# Altium PCB PCB1_4.PcbDoc (part 1 of 2)
Units mil, origin at the board's own origin, x right, y up, seen from the top; angles counter-clockwise.
Board outline 2860 x 3413.11 mil, 4 copper layers (Top Layer, POWER_VCC, POWER_GND, Bottom Layer), stack 30.634 mil thick; 135 components, 182 nets, 698 pads, 287 vias.
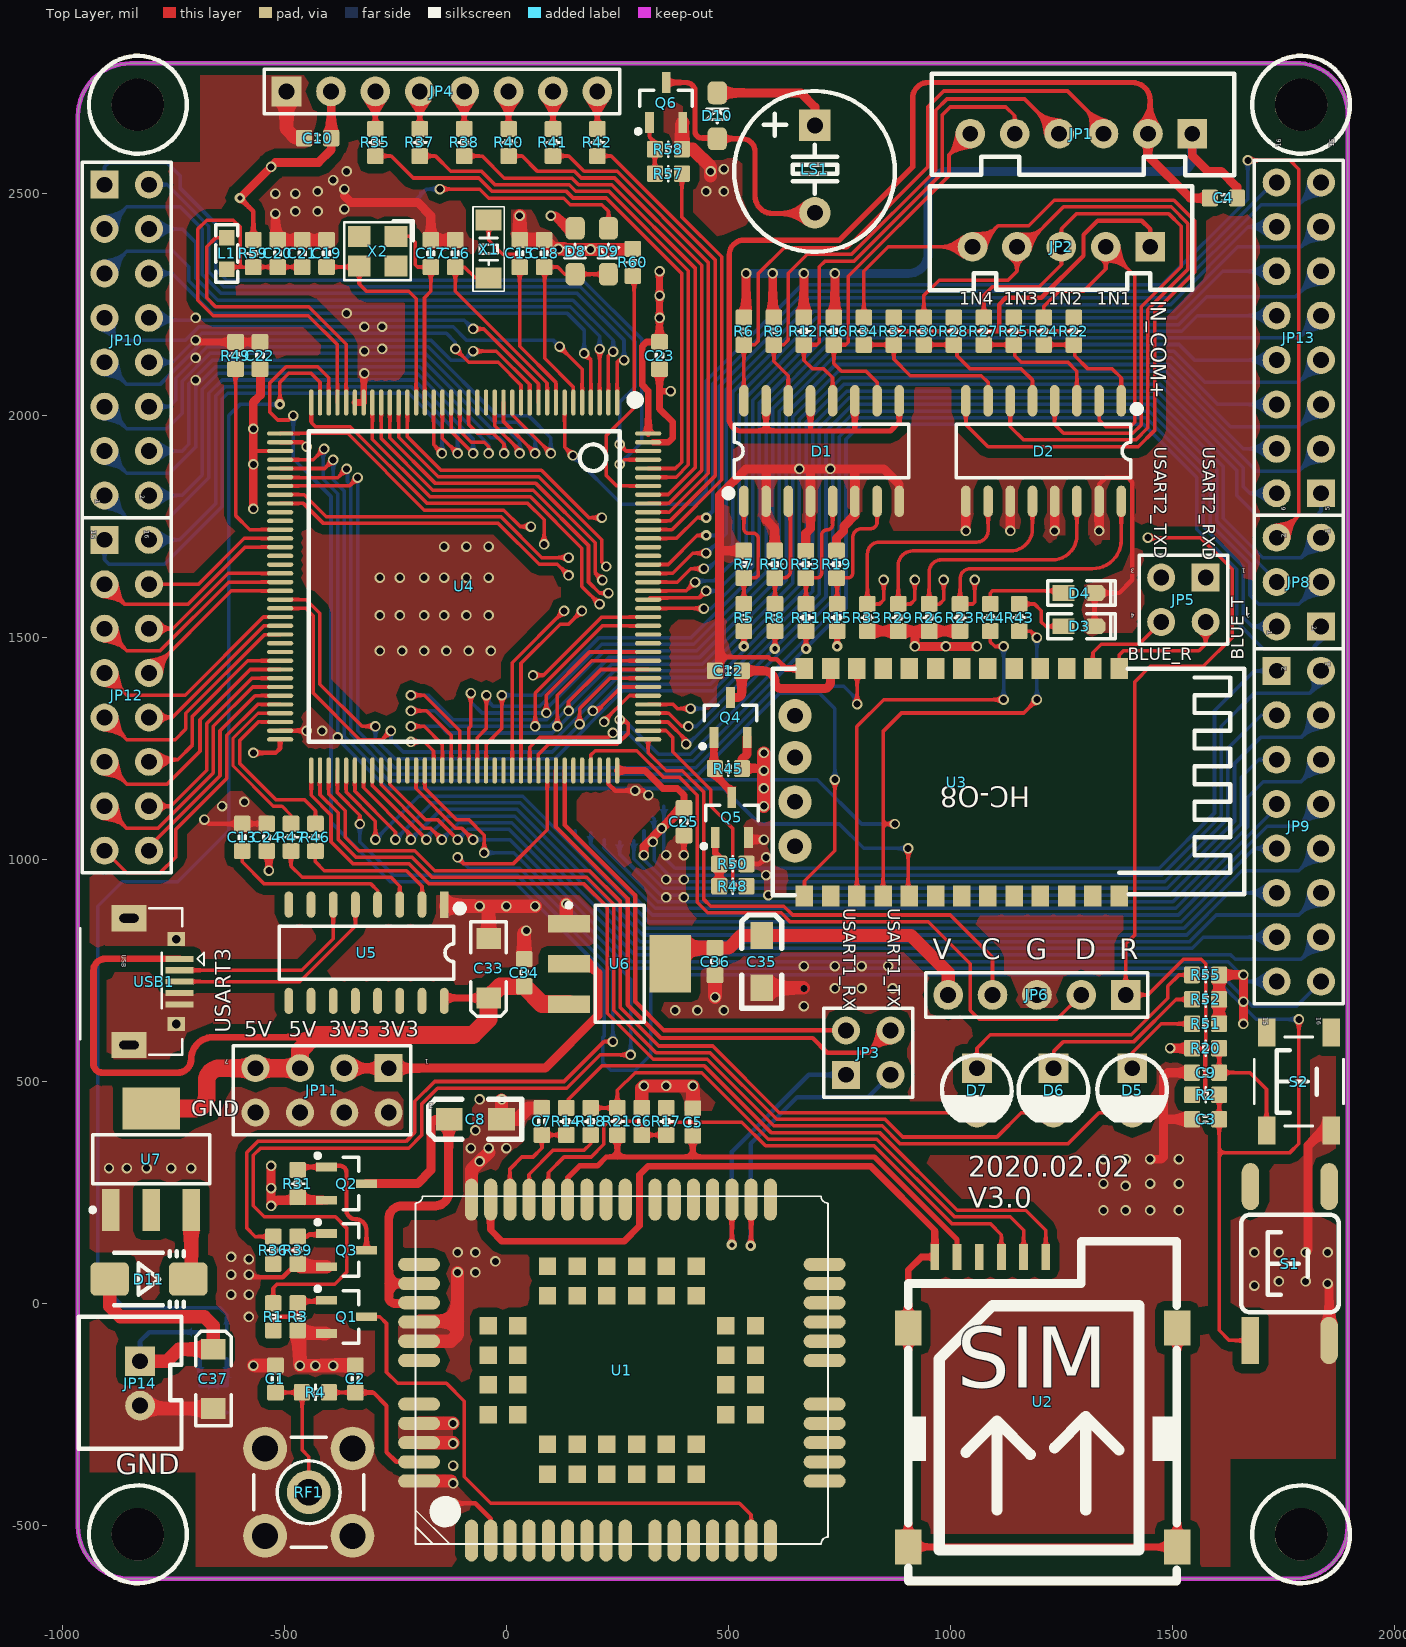
[diagram p0: Top Layer view]
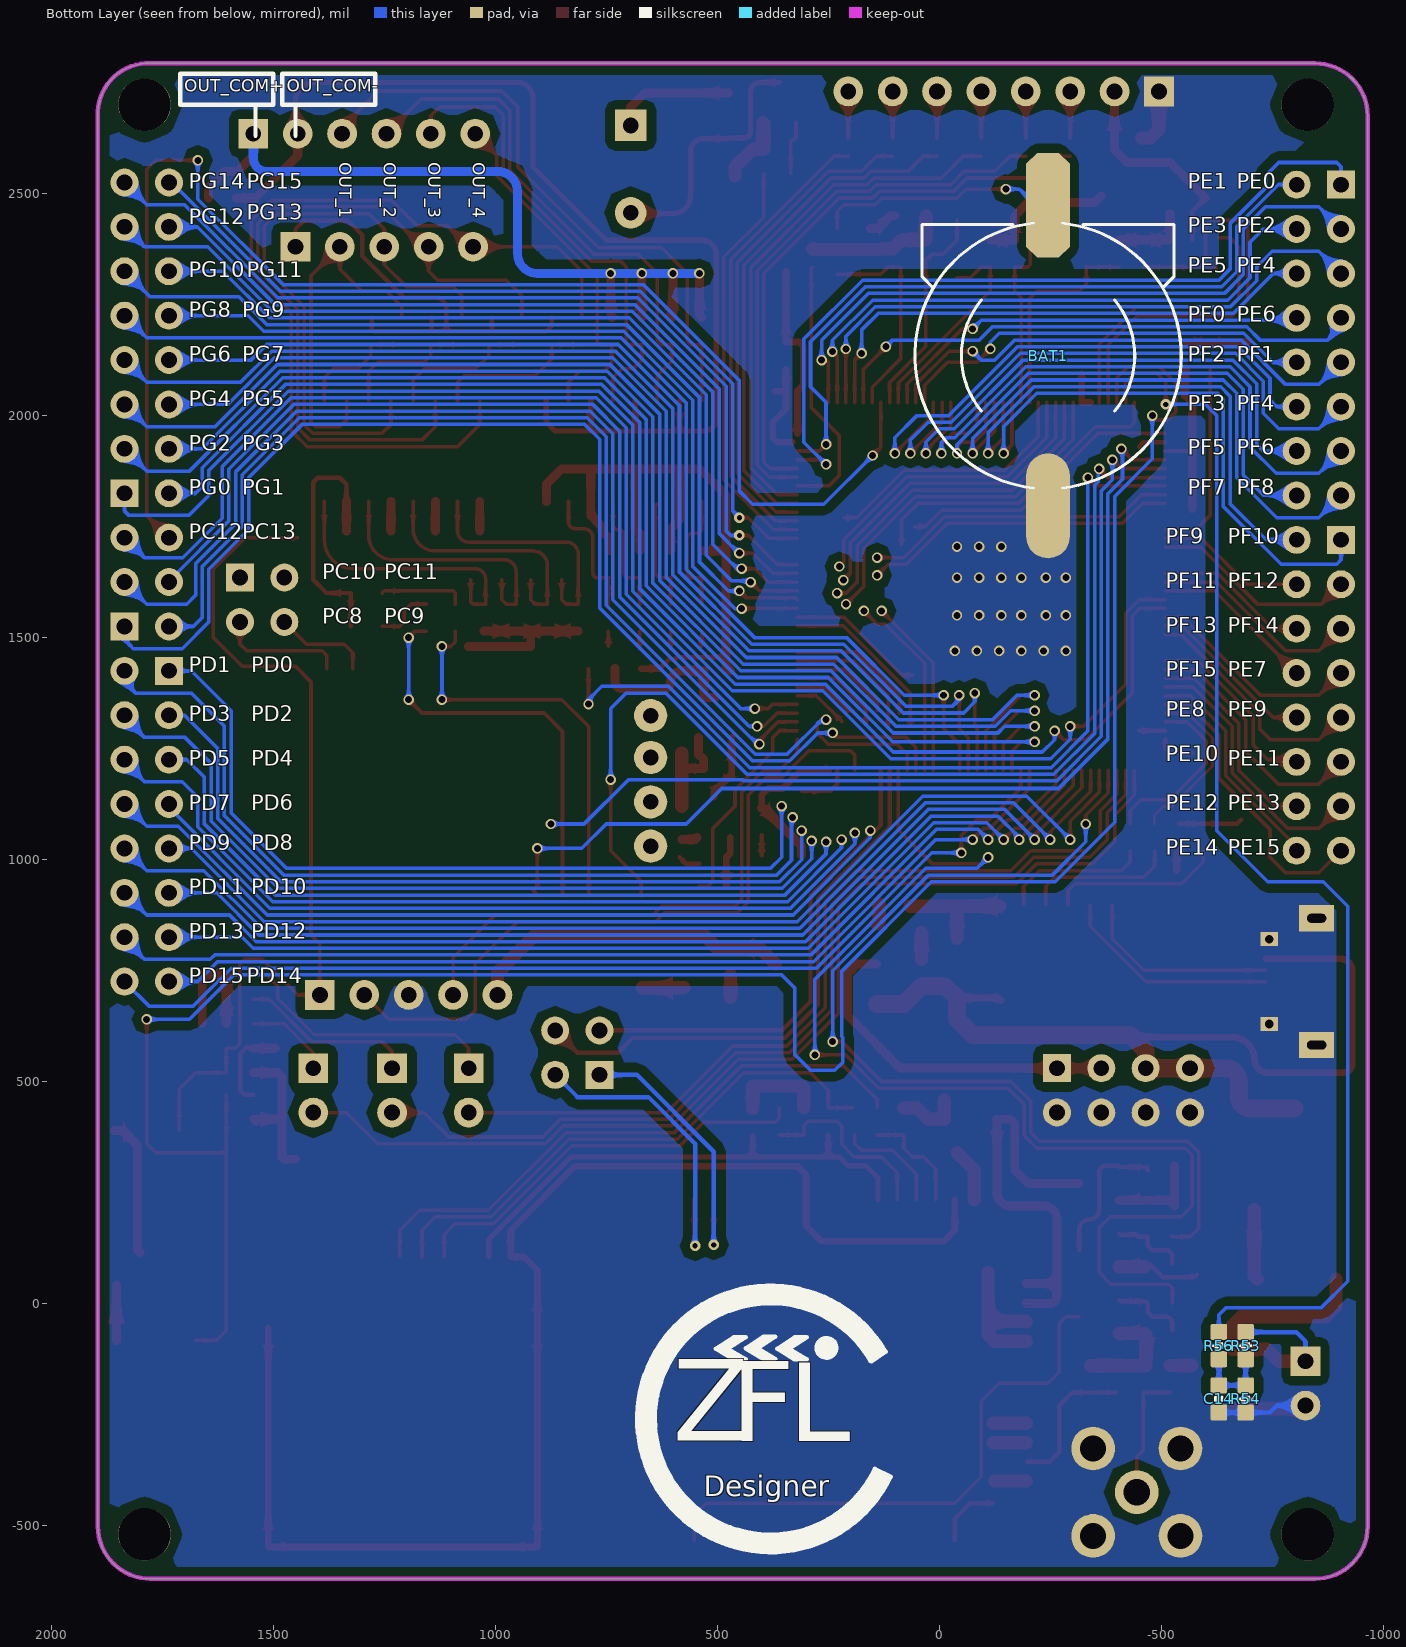
[diagram p1: Bottom Layer view, seen from below]
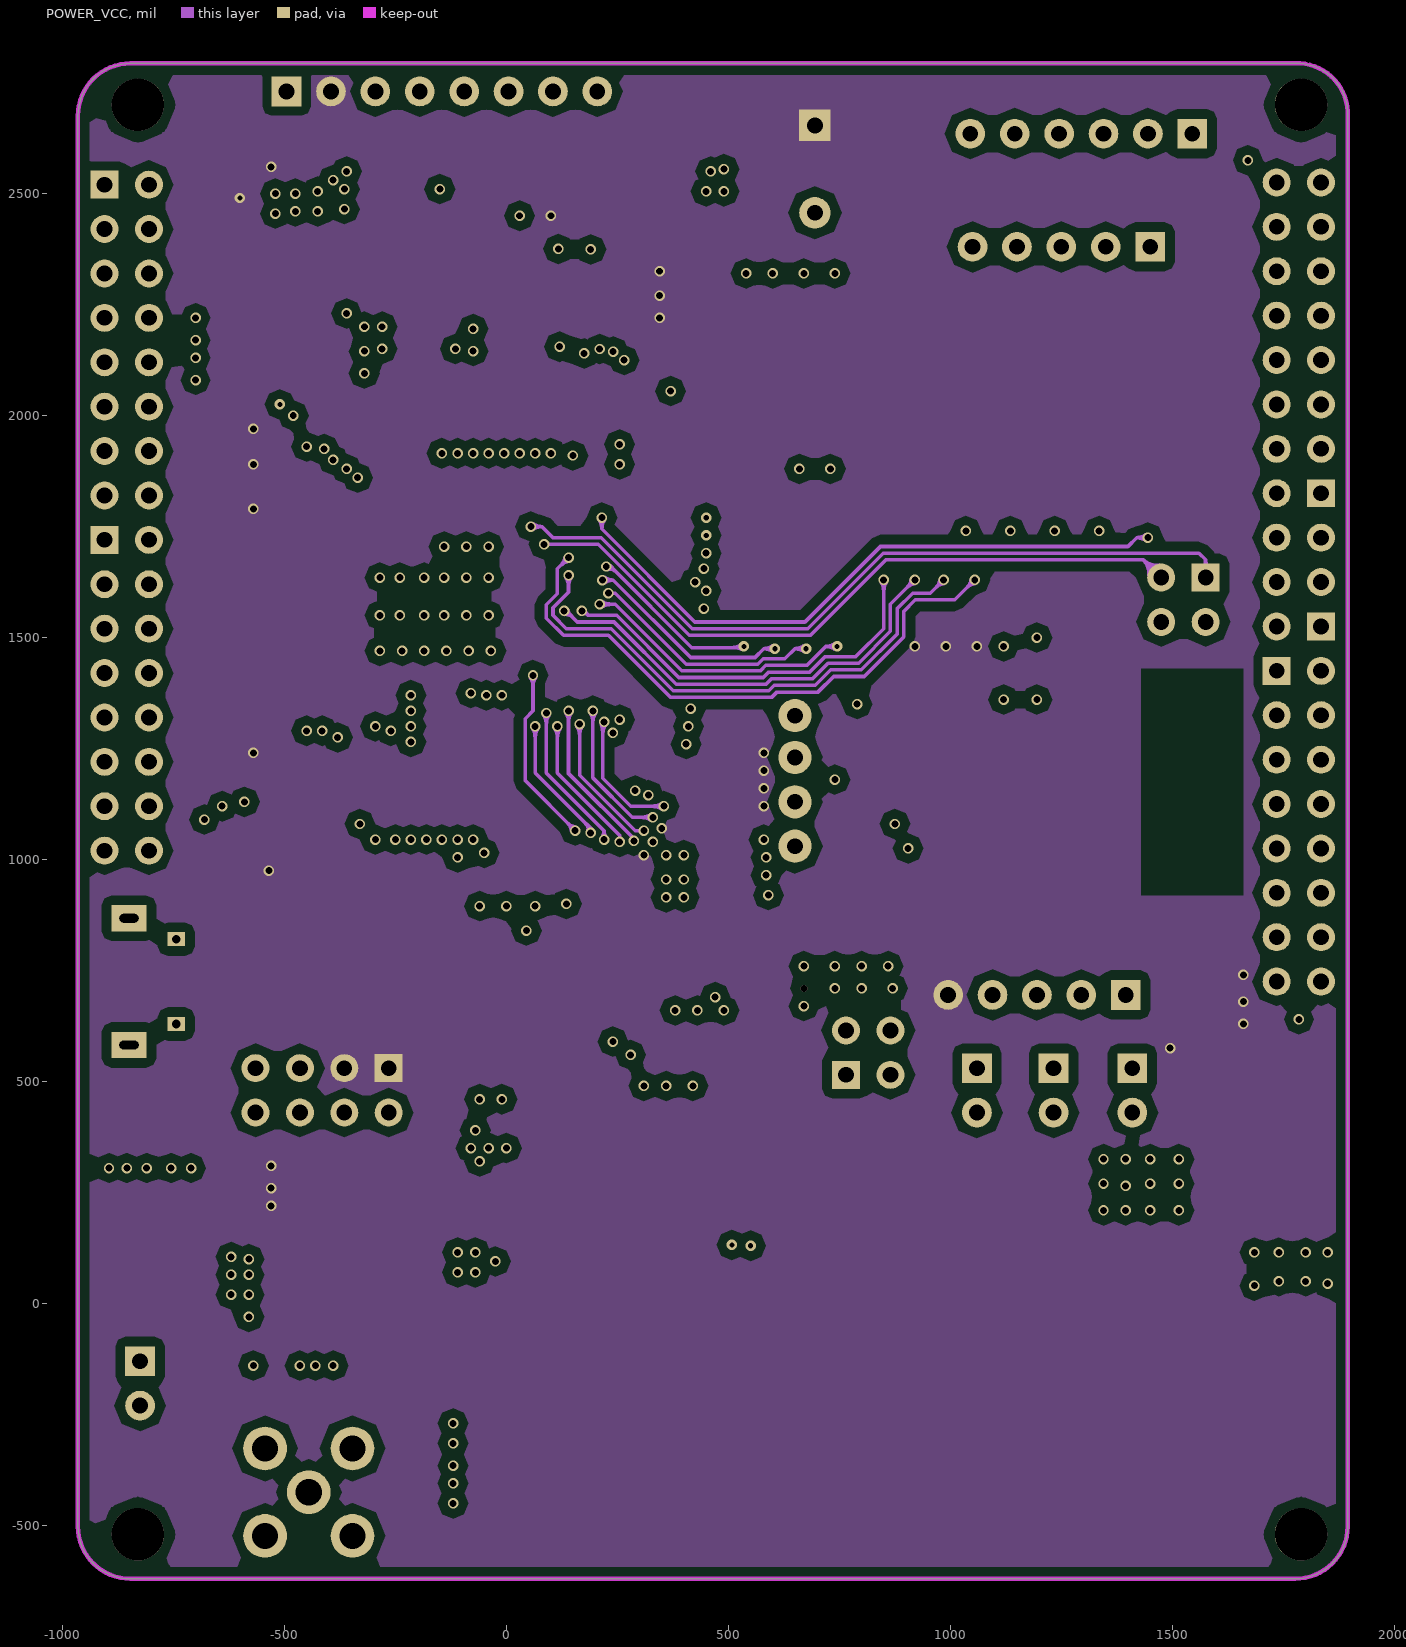
[diagram p2: POWER_VCC]
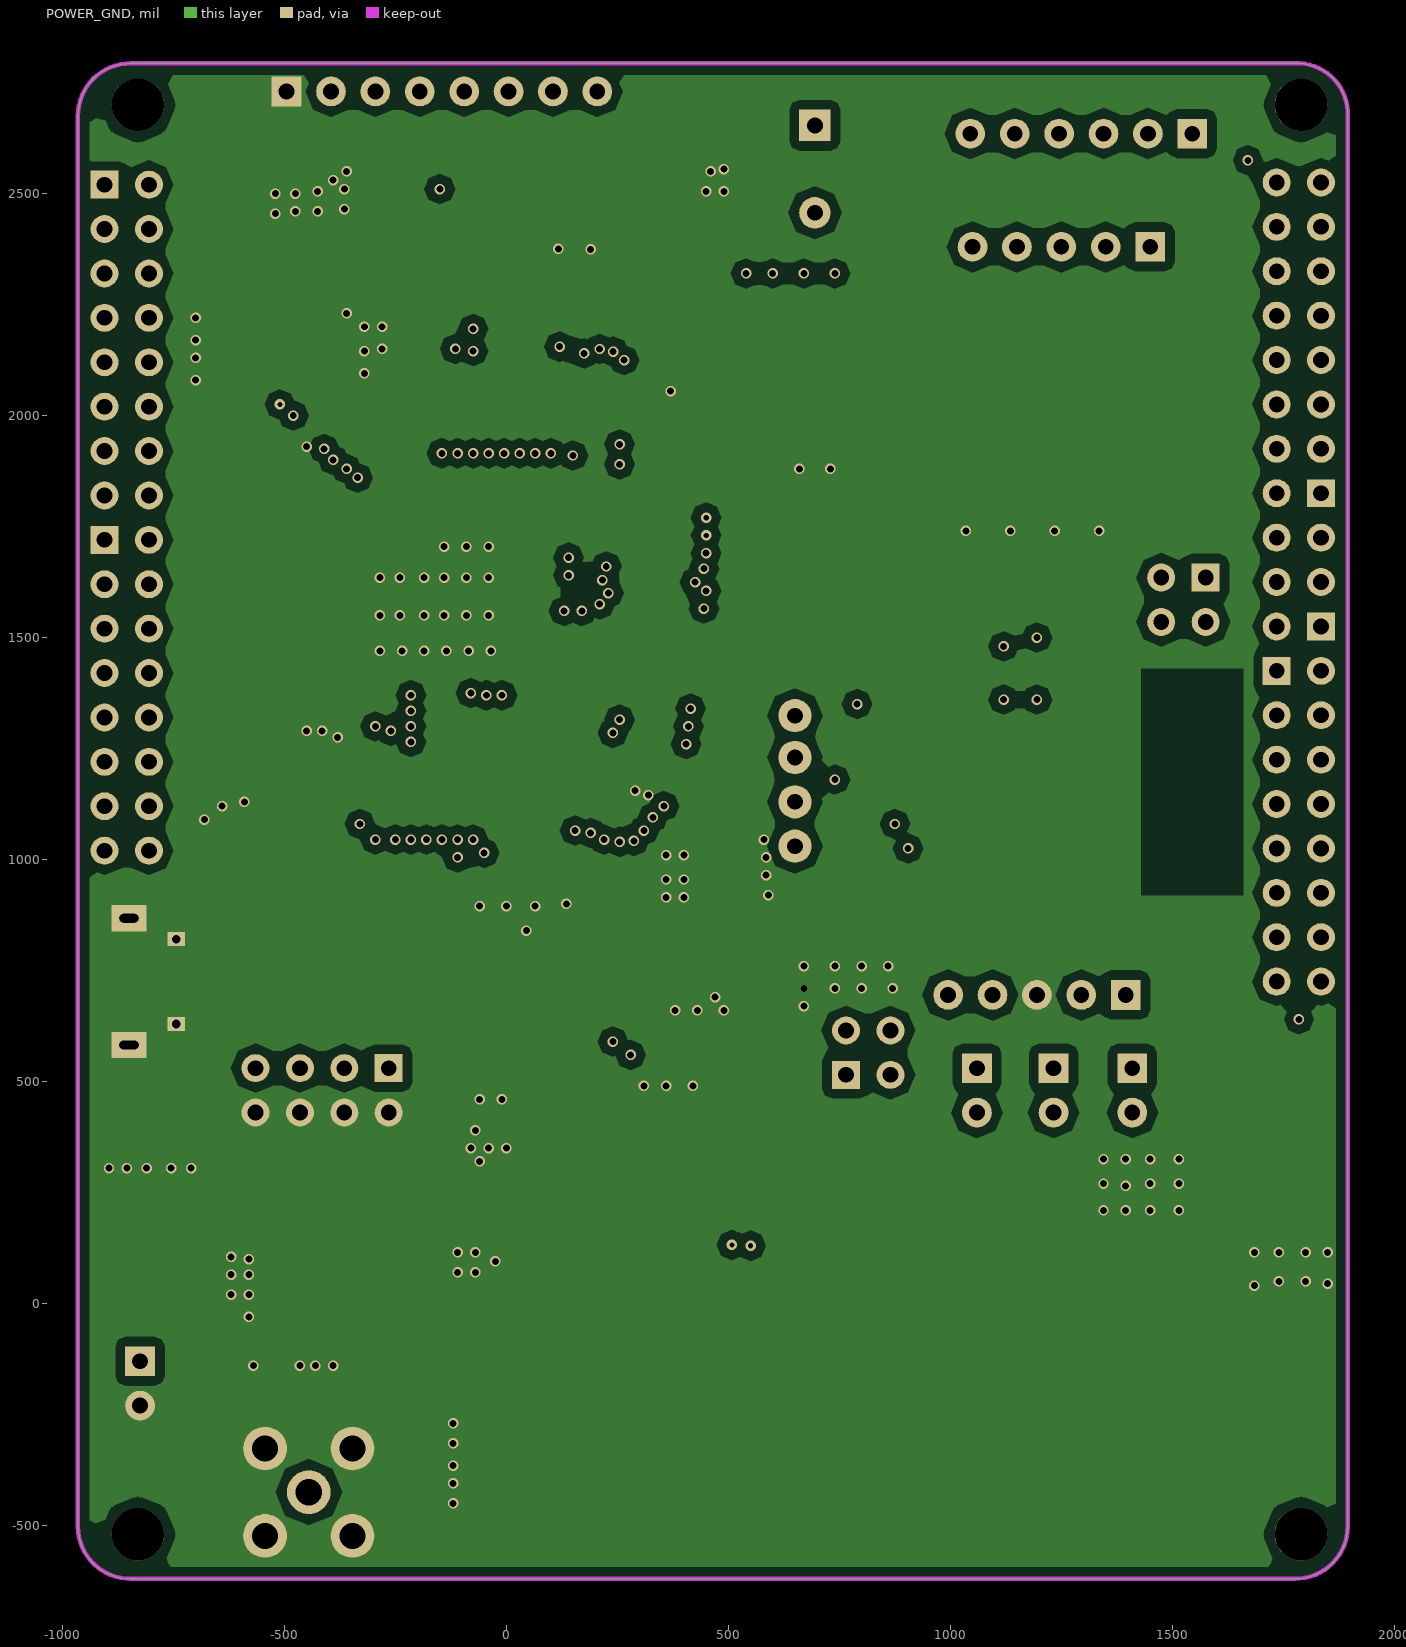
[diagram p3: POWER_GND]

## Layer stack, top to bottom
Top Solder: solder mask 0.4, Solder Resist, Dk 3.5
Top Layer: signal copper 1.4
Dielectric 1: core 10, FR-4, Dk 4.2
POWER_VCC: signal copper 1.417
Dielectric 3: prepreg 5, Dk 4.2
POWER_GND: signal copper 1.417
Dielectric 2: core 10, Dk 4.2
Bottom Layer: signal copper 1.4
Bottom Solder: solder mask 0.4, Solder Resist, Dk 3.5

## Board outline
-965,-501.89 -965,2675 cw(c-846.89,2675) -846.89,2793.11 1776.89,2793.11 cw(c1781.89,2680) 1895,2685 1895,-501.89 cw(c1776.89,-501.89) 1776.89,-620 -846.89,-620 cw(c-846.89,-501.89)

## Design rules (kind name [scope] priority, off if disabled: settings)
Clearance Clearance_5 [InNamedPolygon('GND_L01_P008')] p1: gap=20 ignorepadtopadclearanceinfootprint=FALSE except(0: Arc-Hole Track-Hole SMDPad-Hole THPad-Hole Via-Hole Fill-Hole Poly-Hole Region-Hole Text-Hole)
Clearance Clearance_4 [InNamedPolygon('GND_L01_P006')] p2: gap=20 ignorepadtopadclearanceinfootprint=FALSE except(0: Arc-Hole Track-Hole SMDPad-Hole THPad-Hole Via-Hole Fill-Hole Poly-Hole Region-Hole Text-Hole)
Clearance Clearance_3 [InNamedPolygon('GND_L04_P004')] p3: gap=20 ignorepadtopadclearanceinfootprint=FALSE except(0: Arc-Hole Track-Hole SMDPad-Hole THPad-Hole Via-Hole Fill-Hole Poly-Hole Region-Hole Text-Hole)
Clearance Clearance_2 [InNamedPolygon('GND_L03_P002')] p4: gap=20 ignorepadtopadclearanceinfootprint=FALSE except(0: Arc-Hole Track-Hole SMDPad-Hole THPad-Hole Via-Hole Fill-Hole Poly-Hole Region-Hole Text-Hole)
Clearance Clearance_1 [InNamedPolygon('MCU_3.3V_L02_P000')] p5: gap=20 ignorepadtopadclearanceinfootprint=FALSE except(0: Arc-Hole Track-Hole SMDPad-Hole THPad-Hole Via-Hole Fill-Hole Poly-Hole Region-Hole Text-Hole)
Clearance [All] p6: gap=7 ignorepadtopadclearanceinfootprint=FALSE except(0: Arc-Hole Track-Hole SMDPad-Hole THPad-Hole Via-Hole Fill-Hole Poly-Hole Region-Hole Text-Hole)
ComponentClearance [All] p1 off: gap=10 collisioncheckmode=3 verticalgap=10 showdistances=FALSE
PolygonConnect PolygonConnect_8 [All vs IsNamedPolygon('GND_L01_P008')] p1: connectstyle=Direct reliefconductorwidth=10 reliefentries=4 polygonreliefangle="90 Angle" airgapwidth=10
PolygonConnect PolygonConnect_7 [All vs IsNamedPolygon('GND_L04_P004')] p2: connectstyle=Direct reliefconductorwidth=10 reliefentries=4 polygonreliefangle="90 Angle" airgapwidth=10
PolygonConnect PolygonConnect_6 [All vs IsNamedPolygon('GND_L03_P002')] p3: connectstyle=Direct reliefconductorwidth=10 reliefentries=4 polygonreliefangle="90 Angle" airgapwidth=10
PolygonConnect PolygonConnect_5 [All vs IsNamedPolygon('MCU_3.3V_L02_P000')] p4: connectstyle=Direct reliefconductorwidth=10 reliefentries=4 polygonreliefangle="90 Angle" airgapwidth=10
PolygonConnect PolygonConnect_4 [All vs IsNamedPolygon('GND_L01_P006')] p5: connectstyle=Direct reliefconductorwidth=10 reliefentries=4 polygonreliefangle="90 Angle" airgapwidth=10
PolygonConnect PolygonConnect_3 [All vs IsNamedPolygon('GND_L04_P004')] p6: connectstyle=Direct reliefconductorwidth=10 reliefentries=4 polygonreliefangle="90 Angle" airgapwidth=10
PolygonConnect PolygonConnect_2 [All vs IsNamedPolygon('GND_L03_P002')] p7: connectstyle=Direct reliefconductorwidth=10 reliefentries=4 polygonreliefangle="90 Angle" airgapwidth=10
PolygonConnect PolygonConnect_1 [All vs IsNamedPolygon('MCU_3.3V_L02_P000')] p8: connectstyle=Direct reliefconductorwidth=10 reliefentries=4 polygonreliefangle="90 Angle" airgapwidth=10
PolygonConnect [All] p9: connectstyle=Relief reliefconductorwidth=10 reliefentries=4 polygonreliefangle="90 Angle" airgapwidth=10
RoomDefinition MCU [InComponentClass('MCU')] p1: confinementstyle=ConfineIn formatcopy=TRUE lockcomponents=FALSE outline -2155,-1745 24945,-1745 24945,8815 -2155,8815
RoutingVias [All] p1: holewidth=11.81 width=23.62 viastyle="Through Hole" minholewidth=11.81 minwidth=23.62 maxholewidth=11.81 maxwidth=23.62 useviatemplates=TRUE viatemplateguid#1={C516CC9F-4C20-402A-91DC-BE53C91D200D} viatemplatename#1=v60h30m0
SolderMaskExpansion [All] p1: expansion=4
Width [All] p1: maxlimit=100 minlimit=7 preferedwidth=7
29 further rules are at their usual default settings.

## Components (designator, comment, footprint, x,y, rotation, side; value= is the part's Value field where it differs from the comment)
BAT1 "BATT" VBAT -250,2130 r0 bottom
C1 "100nF" 0603CC -520,-170 r180 top
C2 "100nF" 0603CC -340,-170 r180 top
C3 "100nF" 0603CC 1575,415 r270 top
C4 "100nF" 0603CC 1615,2490 r90 top
C5 "100nF" 0603CC 420,408.6 r0 top
C6 "33P" 0603CC 305,410 r0 top
C7 "33P" 0603CC 80,410 r0 top
C8 "470uF/16V" C3216 -70,415 r0 top
C9 "10uF" 0603CC 1575,520 r90 top
C10 "100nF" 0603CC -425,2625 r270 top
C12 "100nF" 0603CC 500,1425 r90 top
C13 "100nF" 0603CC -595,1050 r180 top
C14 "100nF" 0603CC -630,-215 r0 bottom
C15 "22p" 0603CC 30,2365 r180 top
C16 "22p" 0603CC -115,2365 r180 top
C17 "22p" 0603CC -170,2365 r0 top
C18 "100nF" 0603CC 85,2365 r0 top
C19 "22p" 0603CC -405,2365 r0 top
C20 "10uF" 0603CC -515,2365 r0 top
C21 "100nF" 0603CC -460,2365 r0 top
C22 "10F" 0603CC -555,2135 r0 top
C23 "100nF" 0603CC 345,2135 r180 top
C24 "1uF" 0603CC -540,1050 r0 top
C25 "10uF" 0603CC 400,1085 r180 top
C33 "470uF/35V" "CD A(3216)" -40,755 r90 top
C34 "100nF" 0603CC 40,745 r0 top
C35 "470uF/35V" C3216 575,770 r270 top
C36 "100nF" 0603CC 470,770 r180 top
C37 "470uF/35V" "CD A(3216)" -660,-170 r270 top
D1 "PS2801-4" SOP16_N 710,1920 r90 top
D2 "PS2801-4" SOP16_N 1210,1920 r270 top
D3 "LED" "LED 0603G" 1290,1525 r0 top
D4 "LED" "LED 0603R" 1290,1600 r0 top
D5 "LED" "LED 3MM-G" 1410,480 r270 top
D6 "LED" "LED 3MM-B" 1232.5,480 r270 top
D7 "LED" "LED 3MM-R" 1060,480 r270 top
D8 "1N4148" SOD-323 155,2370 r270 top
D9 "1N4148" SOD-323 230,2370 r270 top
D10 "1N4148" SOD-323 475,2675 r90 top
D11 "SS34" SMA -805,55 r0 top
JP1 "HDR-1X6" XH2.54-LI-6P 1295,2635 r180 top
JP2 "HDR-1X5" XH2.54-LI-5P 1250,2380 r180 top
JP3 "Header2X2" HDR2.54-LI-2x2P 815,565 r0 top
JP4 "HDR-1X8" HDR2.54-M-LI-8P -145,2730 r0 top
JP5 "Header2X2" HDR2.54-LI-2x2P 1525,1585 r180 top
JP6 "HDR-1X5" HDR2.54-LI-5P 1195,695 r180 top
JP8 "Header3X2" HDR2.54-LI-2x3P 1785,1625 r90 top
JP9 "Header 8X2" HDR2.54-LI-2x8P 1785,1075 r270 top
JP10 "Header 8X2" HDR2.54-LI-2x8P -855,2170 r270 top
JP11 "Header 4X2" HDR2.54-LI-2x4P -415,480 r180 top
JP12 "Header 8X2" HDR2.54-LI-2x8P -855,1370 r270 top
JP13 "Header 8X2" HDR2.54-LI-2x8P 1785,2175 r90 top
JP14 "HDR-1X2" XH2.54-LI-2P -825,-180 r270 top
L1 "4.7uH" "L 0603" -630,2365 r270 top
LS1 "DC5V" "BEEP 5x9x5.5" 695,2555 r180 top
Q1 "SS8050" SOT23-3N -360,-30 r270 top
Q2 "AO3401" SOT23-3N -360,270 r270 top
Q3 "SS8050" SOT23-3N -360,120 r270 top
Q4 "AO3401" SOT23-3N 505,1320 r0 top
Q5 "SS8050" SOT23-3N 507.87,1095 r0 top
Q6 "SS8050" SOT23-3N 360,2705 r0 top
R1 "1K" 0603RR -525,-30 r0 top
R2 "10K" 0603RR 1575,470 r270 top
R3 "10K" 0603RR -470,-30 r0 top
R4 "0R" 0603RR -430,-200 r270 top
R5 "470R" 0603RR 535,1545 r180 top
R6 "10K" 0603RR 535,2190 r0 top
R7 "4.7K" 0603RR 535,1665 r0 top
R8 "470R" 0603RR 605,1545 r180 top
R9 "10K" 0603RR 602.56,2190 r0 top
R10 "4.7K" 0603RR 604.56,1665 r0 top
R11 "470R" 0603RR 675,1545 r180 top
R12 "10K" 0603RR 670.11,2190 r0 top
R13 "4.7K" 0603RR 674.11,1664.84 r0 top
R14 "10R" 0603RR 135,410 r180 top
R15 "470R" 0603RR 745,1545 r180 top
R16 "10K" 0603RR 737.67,2190 r0 top
R17 "10R" 0603RR 360,410 r180 top
R18 "10R" 0603RR 190,410 r180 top
R19 "4.7K" 0603RR 743.67,1664.92 r0 top
R20 "10K" 0603RR 1575,575 r270 top
R21 "10K" 0603RR 250,410 r180 top
R22 "470R" 0603RR 1278.11,2190 r0 top
R23 "10K" 0603RR 1021.89,1544.92 r0 top
R24 "4.7K" 0603RR 1210.55,2190 r0 top
R25 "470R" 0603RR 1143,2190 r0 top
R26 "10K" 0603RR 952.33,1544.92 r0 top
R27 "4.7K" 0603RR 1075.44,2190 r0 top
R28 "470R" 0603RR 1007.89,2190 r0 top
R29 "10K" 0603RR 882.78,1544.92 r0 top
R30 "4.7K" 0603RR 940.33,2190 r0 top
R31 "10K" 0603RR -470,270 r0 top
R32 "470R" 0603RR 872.78,2190 r0 top
R33 "10K" 0603RR 813.22,1544.92 r0 top
R34 "4.7K" 0603RR 805.22,2190 r0 top
R35 "200R" 0603RR -295,2615 r180 top
R36 "1K" 0603RR -525,120 r0 top
R37 "200R" 0603RR -195,2615 r180 top
R38 "200R" 0603RR -95,2615 r180 top
R39 "10K" 0603RR -470,120 r0 top
R40 "200R" 0603RR 5,2615 r180 top
R41 "200R" 0603RR 105,2615 r180 top
R42 "200R" 0603RR 205,2615 r180 top
R43 "470R" 0603RR 1155,1545 r180 top
R44 "470R" 0603RR 1090,1545 r180 top
R45 "10K" 0603RR 500,1205 r90 top
R46 "220" 0603RR -430,1050 r0 top
R47 "220" 0603RR -485,1050 r0 top
R48 "1K" 0603RR 510,940 r270 top
R49 "10K" 0603RR -610,2135 r0 top
R50 "10K" 0603RR 510,990 r90 top
R51 "470R" 0603RR 1575,630 r270 top
R52 "470R" 0603RR 1575,685 r270 top
R53 "10K" 0603RR -690,-95 r180 bottom
R54 "10K" 0603RR -690,-215 r180 bottom
R55 "470R" 0603RR 1575,740 r270 top
R56 "470R" 0603RR -630,-95 r180 bottom
R57 "1K" 0603RR 365,2545 r270 top
R58 "10K" 0603RR 365,2600 r90 top
R59 "10R" 0603RR -570,2365 r180 top
R60 "10K" 0603RR 285,2345 r0 top
RF1 "SMA天线" SMA_FR -445,-425 r180 top
S1 "SW-PB" "TSW SMD-6*6*6" 1765,90 r90 top
S2 "SW-PB" "TSW SMD-4*4*1.5" 1785,500 r90 top
U1 "BC95" BC95 260,-150 r90 top
U2 "USIM_6P" "SIM 6P 自弹" 905,-55 r0 top
U3 "HC-08" HC-08 1380,1430 r180 top
U4 "STM32F103ZET6" "LQFP144 20X20_L" -95,1615 r180 top
U5 "CH340C" SOP16_L -315,790 r270 top
U6 "AMS1117-3.3" SOT223_N 255,765 r0 top
U7 "AMS1117-5.0V" SOT223_N -800,325 r90 top
USB1 "USB-5P" USB-MICRO_A -850,725 r270 top
X1 "32.768K" "OSC 3215-2P" -40,2375 r270 top
X2 "8M" "OSC 3225-4P" -290,2370 r180 top
